# Altium PCB EVB-NORA-B20.PcbDoc (part 1 of 6) (continued)
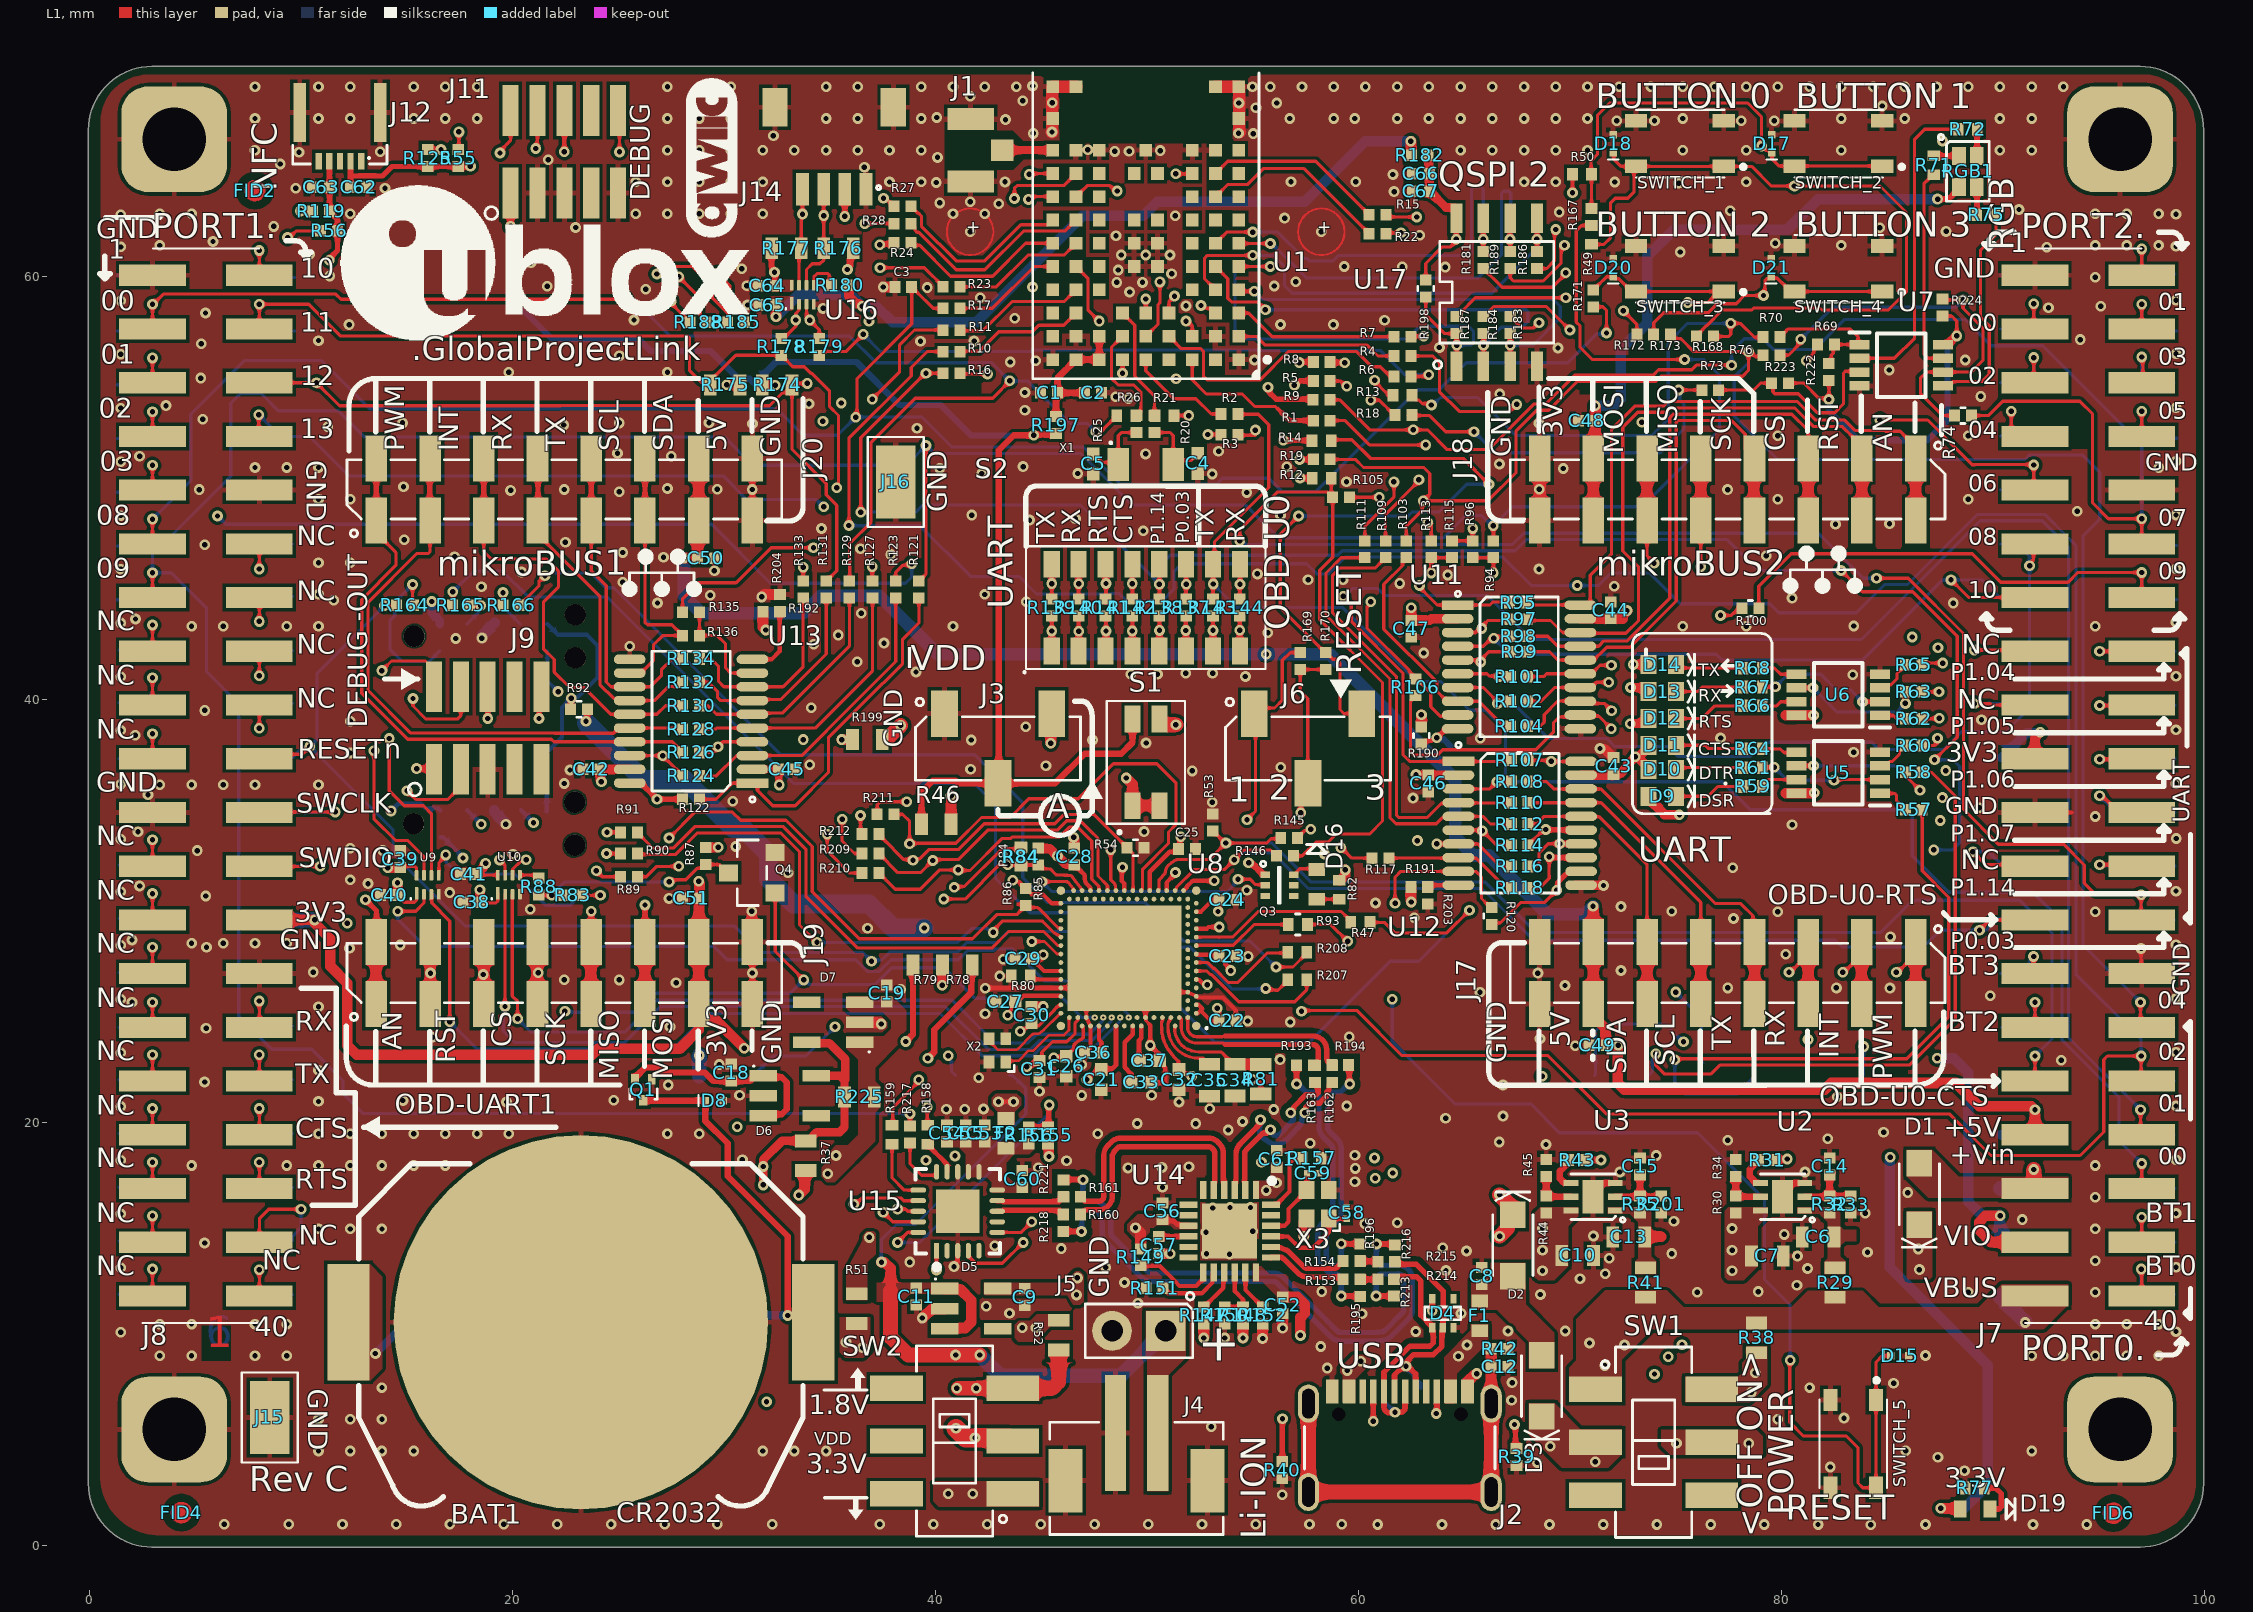
[diagram p0: L1 view]
## Components (designator, comment, footprint, x,y, rotation, side; value= is the part's Value field where it differs from the comment) (continued)
C47 "120-00016" "Cap 0402 HD"#1 62.488,43.358 r270 top locked value=0.1uF
C48 "120-00016" "Cap 0402 HD"#1 70.79,53.188 r180 top locked value=0.1uF
C49 "120-00016" "Cap 0402 HD"#1 71.291,23.657 r0 top locked value=0.1uF
C50 "120-00016" "Cap 0402 HD"#1 29.134,46.685 r0 top value=0.1uF
C51 "120-00016" "Cap 0402 HD"#1 28.436,30.607 r180 top value=0.1uF
C52 "120-00016" "Cap 0402 HD"#1 56.41,11.371 r270 top locked value=0.1uF
C53 "UBXH01-0000243" "Cap 0402 HD"#3 42.316,19.499 r90 top locked value=4U7
C54 "120-00016" "Cap 0402 HD"#3 40.538,19.499 r90 top locked value=0.1uF
C55 "120-00016" "Cap 0402 HD"#3 41.427,19.499 r90 top locked value=0.1uF
C56 "UBXH01-0000248" "Cap 0402 HD"#1 50.723,15.816 r90 top locked value=1U
C57 "UBXH01-0000248" "Cap 0402 HD"#1 50.551,14.216 r270 top locked value=1U
C58 "UBXH01-0013002" "Cap 0201 HD" 59.433,15.74 r90 top locked value=8P2
C59 "UBXH01-0013002" "Cap 0201 HD" 57.833,17.619 r0 top locked value=8P2
C60 "120-00016" "Cap 0402 HD"#3 44.094,17.34 r90 top locked value=0.1uF
C61 "120-00016" "Cap 0402 HD"#1 56.128,18.286 r90 top locked value=0.1uF
C62 "UBXH01-0000594" "Cap 0402 HD"#1 12.725,64.223 r180 top locked value=300P
C63 "UBXH01-0000594" "Cap 0402 HD"#1 10.947,64.223 r180 top locked value=300P
C64 "120-00016" "Cap 0402 HD"#1 32.029,59.572 r180 top locked value=0.1uF
C65 "120-00016" "Cap 0402 HD"#1 32.055,58.663 r180 top locked value=0.1uF
C66 "120-00016" "Cap 0402 HD"#1 62.941,64.872 r0 top value=0.1uF
C67 "UBXH01-0000243" "Cap 0402 HD"#1 62.941,64.033 r0 top value=4U7
D1 "110-00005" SOD-123F_U#1 86.512,16.637 r90 top
D2 "110-00005" SOD-123F_U#2 67.29,14.2 r270 top locked
D3 "110-00005" SOD-123F_U#1 68.653,7.561 r90 top locked
D4 "110-00018" SOT-553 63.983,10.993 r90 top locked
D5 "UBXH12-0000539" SOT-23-5_2#1 41.686,11.212 r0 top locked value=MAX40203AUK+T
D6 "UBXH12-0000539" SOT-23-5_2#2 33.101,21.277 r0 top value=MAX40203AUK+T
D7 "UBXH12-0000539" SOT-23-5_2#3 35.16,24.751 r180 top locked value=MAX40203AUK+T
D8 "UBXH07-0000034" SOD-923#1 29.534,21.048 r0 top value=3V3
D9 "UBXH11-0000057" LED_0603_YELLOW 74.35,35.433 r180 top value=YELLOW
D10 "UBXH11-0000001" LED_0603_GREEN 74.35,36.703 r180 top value=GREEN
D11 "UBXH11-0000057" LED_0603_YELLOW 74.35,37.846 r180 top value=YELLOW
D12 "UBXH11-0000001" LED_0603_GREEN 74.35,39.116 r180 top value=GREEN
D13 "UBXH11-0000057" LED_0603_YELLOW 74.35,40.386 r180 top value=YELLOW
D14 "UBXH11-0000001" LED_0603_GREEN 74.35,41.656 r180 top value=GREEN
D15 "110-00019" SOD-923#2 85.58,8.981 r0 top
D16 "UBXH11-0000018" LED_0603_1600Lx800Wx400H_600x800Pad_800G_FLX 58.02,31.27 r270 top locked value=GREEN
D17 "110-00019" SOD-923#2 79.527,66.294 r90 top
D18 "110-00019" SOD-923#3 72.034,66.294 r90 top locked
D19 "UBXH11-0000018" LED_0603_1600Lx800Wx400H_600x800Pad_800G_FLX 89.151,1.744 r180 top locked value=GREEN
D20 "110-00019" SOD-923#3 72.034,60.427 r90 top locked
D21 "110-00019" SOD-923#2 79.5,60.427 r90 top locked
F1 "UBXH08-0000001" IND_0603_1750Lx950Wx1050H_600x800Pad_800G_FLX 65.726,10.87 r90 top value=600OHM
F2 "UBXH08-0000001" IND_0603_1750Lx950Wx1050H_600x800Pad_800G_FLX 43.332,19.499 r270 top locked value=600OHM
FID1 "FID" FIDUCIAL40 7.817,64.071 r90 bottom locked
FID2 "FID" FIDUCIAL40 7.817,64.071 r90 top locked
FID3 "FID" FIDUCIAL40 4.34,1.567 r90 bottom locked
FID4 "FID" FIDUCIAL40 4.34,1.567 r90 top locked
FID5 "FID" FIDUCIAL40 95.679,1.541 r90 bottom locked
FID6 "FID" FIDUCIAL40 95.679,1.541 r90 top locked
J1 "130-00067" U.FL_3Pin 41.654,65.981 r90 top locked
J2 "UBXH04-0000785" USB4105-GF-A 61.946,2.541 r0 top locked value=USB4105-GF-A
J3 "UBXH04-0000792" HDR-0.1P-3Pin-1Row-SMT 42.951,37.694 r0 top locked value=M20-8770342
J4 "UBXH04-0000791" B2B-PH-SM4-TB 49.498,5.334 r180 top locked value=B2B-PH-SM4-TB
J5 "UBXH04-0000026" HDR-0.1P-2PIN-TH 49.609,10.16 r90 top locked value=M20-9990245
J6 "UBXH04-0000792" HDR-0.1P-3Pin-1Row-SMT 57.607,37.694 r0 top locked value=M20-8770342
J7 "" M208762042#1 94.5,35.94 r270 top locked
J8 "" M208762042#2 5.5,35.94 r270 top locked
J9 "130-00099" HDR.050P-10Pin-2x5-SMT_Key 18.821,38.659 r0 top locked
J10 "TC2050-IDC-NL" TC2050-IDC-NL#1 16.589,34.773 r0 bottom locked
J11 "130-00099" HDR.050P-10Pin-2x5-SMT_Key 22.446,65.909 r0 top locked
J12 "UBXH04-0000798" "AVX/Kyocera - 046284005001846" 11.836,67.759 r180 top locked value=046284005001846
J13 "TC2050-IDC-NL" TC2050-IDC-NL#2 16.614,43.637 r0 bottom locked
J14 "UBXH04-0000797" SM04B-SRSS-TB 35.204,68.013 r180 top locked value=SM04B-SRSS-TB
J15 "" Harwin_0_MFG 8.516,6.066 r90 top
J16 "" Harwin_0_MFG 38.113,50.298 r270 top
J17 "130-00102" SKT-0.1P-SSM-108-L-SV 77.446,27.081 r180 top locked
J18 "130-00102" SKT-0.1P-SSM-108-L-SV 77.446,49.941 r180 top locked
J19 "130-00102" SKT-0.1P-SSM-108-L-SV 22.446,27.081 r0 top locked
J20 "130-00102" SKT-0.1P-SSM-108-L-SV 22.446,49.941 r0 top locked
Q1 "140-00005" SOT-723 26.186,21.564 r270 top
Q3 "UBXH20-0000083" SOT-563 56.25,31.222 r0 top value=NTZD3154NT
Q4 "UBXH20-0000036" SOT-23 31.315,31.818 r180 top value=IRFML8244TRPBF
R1 "UBXH18-0003002" "RES 0402 HD"#1 58.257,53.198 r180 top locked value=0R
R2 "UBXH18-0003002" "RES 0402 HD"#1 53.895,53.509 r180 top locked value=0R
R3 "UBXH18-0003002" "RES 0402 HD"#1 53.895,52.531 r180 top locked value=0R
R4 "UBXH18-0003002" "RES 0402 HD"#1 62.067,56.253 r180 top locked value=0R
R5 "UBXH18-0003002" "RES 0402 HD"#1 58.256,55.071 r180 top locked value=0R
R6 "UBXH18-0003002" "RES 0402 HD"#1 62.075,55.284 r180 top locked value=0R
R7 "UBXH18-0003002" "RES 0402 HD"#1 62.067,57.163 r180 top locked value=0R
R8 "UBXH18-0003002" "RES 0402 HD"#1 58.257,55.968 r180 top locked value=0R
R9 "UBXH18-0003002" "RES 0402 HD"#1 58.247,54.182 r180 top locked value=0R
R10 "UBXH18-0003002" "RES 0402 HD"#1 40.746,56.46 r0 top locked value=0R
R11 "UBXH18-0003002" "RES 0402 HD"#1 40.746,57.468 r0 top locked value=0R
R12 "UBXH18-0003002" RES_0402_1100Lx600Wx400H_500x600Pad_400G_FLX#1 58.257,50.471 r0 top locked value=0R
R13 "UBXH18-0003002" RES_0402_1100Lx600Wx400H_500x600Pad_400G_FLX#1 62.073,54.399 r0 top locked value=0R
R14 "UBXH18-0003002" RES_0402_1100Lx600Wx400H_500x600Pad_400G_FLX#1 58.246,52.25 r0 top locked value=0R
R15 "UBXH18-0003002" "RES 0402 HD"#1 60.894,62.934 r0 top locked value=0R
R16 "UBXH18-0003002" "RES 0402 HD"#1 40.746,55.438 r0 top value=0R
R17 "UBXH18-0003002" "RES 0402 HD"#1 40.746,58.504 r0 top locked value=0R
R18 "UBXH18-0003002" "RES 0402 HD"#1 62.118,53.462 r0 top locked value=0R
R19 "UBXH18-0003002" "RES 0402 HD"#1 58.257,51.365 r0 top locked value=0R
R20 "UBXH18-0003002" "RES 0402 HD"#1 50.348,53.029 r90 top locked value=0R
R21 "UBXH18-0003002" RES_0402_1100Lx600Wx400H_500x600Pad_400G_FLX#1 50.821,53.433 r180 top locked value=0R
R22 "UBXH18-0003002" "RES 0402 HD"#1 60.894,62.036 r0 top locked value=0R
R23 "UBXH18-0003002" "RES 0402 HD"#1 40.746,59.526 r0 top locked value=0R
R24 "UBXH18-0003002" "RES 0402 HD"#1 38.443,61.602 r0 top locked value=0R
R25 "UBXH18-0003002" "RES 0402 HD"#1 49.495,53.029 r90 top locked value=0R
R26 "UBXH18-0003002" RES_0402_1100Lx600Wx400H_500x600Pad_400G_FLX#1 49.018,53.433 r0 top locked value=0R
R27 "UBXH18-0003002" "RES 0402 HD"#1 38.443,63.339 r180 top locked value=0R
R28 "UBXH18-0003002" "RES 0402 HD"#1 38.443,62.501 r180 top locked value=0R
R29 "UBXH18-0003001" RES_0603_1700Lx950Wx600H_600x1000Pad_800G_FLX#1 82.525,12.446 r90 top value=0R
R30 "UBXH18-0003002" "RES 0402 HD"#2 77.831,16.137 r270 top value=0R
R31 "UBXH18-0000005" "RES 0402 HD"#1 79.313,18.237 r0 top value=100K
R32 "UBXH18-0003002" "RES 0402 HD"#2 82.267,16.137 r270 top value=0R
R33 "UBXH18-0003002" "RES 0402 HD"#1 83.261,16.129 r90 top value=0R
R34 "UBXH18-0003002" "RES 0402 HD"#1 77.826,17.856 r270 top value=0R
R35 "UBXH18-0003002" "RES 0402 HD"#2 73.305,16.137 r270 top value=0R
R37 "UBXH18-0003001" RES_0603_1700Lx950Wx600H_600x1000Pad_800G_FLX#2 33.858,18.44 r90 top value=0R
R38 "UBXH18-0003001" RES_0603_1700Lx950Wx600H_600x1000Pad_800G_FLX#3 78.816,9.83 r270 top value=0R
R39 "UBXH18-0008066" "RES 0402 HD"#1 67.466,4.203 r90 top value=5K1
R40 "UBXH18-0008066" "RES 0402 HD"#1 56.391,3.574 r90 top value=5K1
R41 "UBXH18-0003001" RES_0603_1700Lx950Wx600H_600x1000Pad_800G_FLX#1 73.566,12.446 r90 top value=0R
R42 "180-00024" "RES 0402 HD"#1 66.66,9.31 r0 top value=10k
R43 "UBXH18-0000005" "RES 0402 HD"#2 70.333,18.237 r0 top value=100K
R44 "UBXH18-0003002" "RES 0402 HD"#2 68.868,16.137 r270 top value=0R
R45 "UBXH18-0003002" "RES 0402 HD"#1 68.868,17.856 r270 top value=0R
R46 "UBXH18-0003001" RES_0603_1700Lx950Wx600H_600x1000Pad_800G_FLX#2 40.03,34.112 r0 top value=0R
R47 "UBXH18-0008029" RES_0402_1100Lx600Wx400H_500x600Pad_400G_FLX#1 60.085,29.474 r180 top value=150R
R49 "UBXH18-0003002" RES_0402_1100Lx600Wx400H_500x600Pad_400G_FLX#1 71.008,61.98 r270 top locked value=0R
R50 "UBXH18-0003002" RES_0402_1100Lx600Wx400H_500x600Pad_400G_FLX#2 70.56,64.84 r0 top value=0R
R51 "UBXH18-0003001" RES_0603_1700Lx950Wx600H_600x1000Pad_800G_FLX#1 36.271,11.212 r90 top value=0R
R52 "UBXH18-0003001" RES_0603_1700Lx950Wx600H_600x1000Pad_800G_FLX#2 45.822,9.957 r270 top value=0R
R53 "UBXH18-0000005" "RES 0402 HD"#1 53.108,34.2 r270 top value=100K
R54 "UBXH18-0000005" "RES 0402 HD"#1 49.443,33.005 r180 top value=100K
R55 "UBXH18-0003002" "RES 0402 HD"#1 17.429,65.609 r270 top value=0R
R56 "UBXH18-0003002" "RES 0402 HD"#1 11.32,62.179 r0 top value=0R
R57 "UBXH18-0003002" "RES 0402 HD"#1 86.246,34.796 r0 top value=0R
R58 "UBXH18-0003002" "RES 0402 HD"#1 86.246,36.566 r0 top value=0R
R59 "UBXH18-0008041" RES_0402_1100Lx600Wx400H_500x600Pad_400G_FLX#1 78.631,35.9 r180 top locked value=470R
R60 "UBXH18-0003002" "RES 0402 HD"#1 86.246,37.836 r0 top value=0R
R61 "UBXH18-0008041" RES_0402_1100Lx600Wx400H_500x600Pad_400G_FLX#1 78.631,36.789 r180 top locked value=470R
R62 "UBXH18-0003002" "RES 0402 HD"#1 86.246,39.106 r0 top locked value=0R
R63 "UBXH18-0003002" "RES 0402 HD"#1 86.246,40.376 r0 top locked value=0R
R64 "UBXH18-0008041" RES_0402_1100Lx600Wx400H_500x600Pad_400G_FLX#1 78.631,37.678 r180 top locked value=470R
R65 "UBXH18-0003002" "RES 0402 HD"#1 86.246,41.646 r0 top locked value=0R
R66 "UBXH18-0008041" RES_0402_1100Lx600Wx400H_500x600Pad_400G_FLX#1 78.631,39.71 r180 top locked value=470R
R67 "UBXH18-0008041" RES_0402_1100Lx600Wx400H_500x600Pad_400G_FLX#1 78.631,40.599 r180 top locked value=470R
R68 "UBXH18-0008041" RES_0402_1100Lx600Wx400H_500x600Pad_400G_FLX#1 78.631,41.488 r180 top locked value=470R
R69 "UBXH18-0003002" "RES 0402 HD"#1 82.093,56.794 r180 top locked value=0R
R70 "UBXH18-0003002" "RES 0402 HD"#1 79.524,57.152 r180 top value=0R
R71 "UBXH18-0008046" RES_0402_1100Lx600Wx400H_500x600Pad_400G_FLX#1 87.198,65.27 r90 top locked value=750R
R72 "UBXH18-0008041" RES_0402_1100Lx600Wx400H_500x600Pad_400G_FLX#1 88.798,66.972 r0 top locked value=470R
R73 "UBXH18-0003002" "RES 0402 HD"#1 76.626,54.64 r180 top value=0R
R74 "UBXH18-0003002" "RES 0402 HD"#1 88.573,53.436 r0 top value=0R
R75 "UBXH18-0000216" RES_0402_1100Lx600Wx400H_500x600Pad_400G_FLX#1 89.683,62.929 r180 top value=360R
R76 "UBXH18-0003002" "RES 0402 HD"#1 79.524,56.294 r180 top value=0R
R77 "UBXH18-0008041" RES_0402_1100Lx600Wx400H_500x600Pad_400G_FLX#1 89.125,2.735 r0 top locked value=470R
R78 "UBXH18-0003001" RES_0603_1700Lx950Wx600H_600x1000Pad_800G_FLX#4 41.027,27.452 r180 top value=0R
R79 "UBXH18-0003001" RES_0603_1700Lx950Wx600H_600x1000Pad_800G_FLX#3 39.627,27.452 r180 top value=0R
R80 "UBXH18-0008017" RES_0402_1100Lx600Wx400H_500x600Pad_400G_FLX#1 44.015,26.939 r0 top locked value=47R
R81 "UBXH18-0003001" RES_0603_1700Lx950Wx600H_600x1000Pad_800G_FLX#2 55.372,22.058 r90 top locked value=0R
R82 "UBXH18-0008041" RES_0402_1100Lx600Wx400H_500x600Pad_400G_FLX#1 59.08,31.01 r270 top value=470R
R83 "UBXH18-0003002" "RES 0402 HD"#1 22.839,30.752 r180 top locked value=0R
R84 "UBXH18-00030020R" RES_0402_1100Lx600Wx400H_500x600Pad_400G_FLX#1 44.045,32.578 r90 top
R84 "UBXH18-00030020R" RES_0402_1100Lx600Wx400H_500x600Pad_400G_FLX#1 44.023,32.588 r90 top locked
R84 "UBXH18-0000005" "RES 0402 HD"#1 44.023,32.588 r90 top locked value=100K
R85 "UBXH18-0000005" "RES 0402 HD"#1 44.856,32.588 r90 top value=100K
R86 "UBXH18-0000005" "RES 0402 HD"#1 44.262,30.667 r90 top locked value=100K
R87 "UBXH18-0000005" "RES 0402 HD"#1 29.134,32.614 r90 top locked value=100K
R88 "UBXH18-0003002" "RES 0402 HD"#1 21.24,31.167 r90 top locked value=0R
R89 "UBXH18-0003002" "RES 0402 HD"#1 25.5,31.632 r180 top locked value=0R
R90 "UBXH18-0003002" "RES 0402 HD"#1 25.5,32.728 r0 top locked value=0R
R91 "UBXH18-0003002" "RES 0402 HD"#1 25.5,33.725 r0 top locked value=0R
R92 "UBXH18-0003002" "RES 0402 HD"#1 23.139,39.548 r0 top value=0R
R93 "UBXH18-0008029" RES_0402_1100Lx600Wx400H_500x600Pad_400G_FLX#1 57.13,29.37 r180 top value=150R
R94 "UBXH18-0003002" "RES 0402 HD"#1 66.369,47.114 r90 top value=0R
R95 "UBXH18-0003002" "RES 0402 HD"#1 67.539,44.597 r180 top value=0R
R96 "UBXH18-0003002" "RES 0402 HD"#1 65.39,47.114 r90 top value=0R
R97 "UBXH18-0003002" "RES 0402 HD"#1 67.561,43.797 r180 top value=0R
R98 "UBXH18-0003002" "RES 0402 HD"#1 67.561,43.003 r180 top value=0R
R99 "UBXH18-0003002" "RES 0402 HD"#1 67.583,42.267 r180 top locked value=0R
R100 "UBXH18-0003002" "RES 0402 HD"#1 78.52,44.319 r0 top value=0R
R101 "UBXH18-0003002" "RES 0402 HD"#1 67.583,41.093 r180 top locked value=0R
R102 "UBXH18-0003002" "RES 0402 HD"#1 67.583,39.919 r180 top locked value=0R
R103 "UBXH18-0003002" "RES 0402 HD"#1 62.252,47.114 r90 top value=0R
R104 "UBXH18-0003002" "RES 0402 HD"#1 67.583,38.744 r180 top locked value=0R
R105 "UBXH18-0003002" "RES 0402 HD"#1 59.174,49.571 r180 top value=0R
R106 "UBXH18-0003002" "RES 0402 HD"#1 62.687,40.589 r90 top value=0R
R107 "UBXH18-0003002" "RES 0402 HD"#1 67.618,37.138 r180 top locked value=0R
R108 "UBXH18-0003002" "RES 0402 HD"#1 67.618,36.133 r180 top locked value=0R
R109 "UBXH18-0003002" "RES 0402 HD"#1 61.273,47.114 r90 top value=0R
R110 "UBXH18-0003002" "RES 0402 HD"#1 67.618,35.129 r180 top locked value=0R
R111 "UBXH18-0003002" "RES 0402 HD"#1 60.294,47.114 r90 top value=0R
R112 "UBXH18-0003002" "RES 0402 HD"#1 67.618,34.125 r180 top locked value=0R
R113 "UBXH18-0003002" "RES 0402 HD"#1 63.431,47.114 r90 top value=0R
R114 "UBXH18-0003002" "RES 0402 HD"#1 67.618,33.12 r180 top locked value=0R
R115 "UBXH18-0003002" "RES 0402 HD"#1 64.411,47.114 r90 top value=0R
R116 "UBXH18-0003002" "RES 0402 HD"#1 67.618,32.116 r180 top locked value=0R
R117 "UBXH18-0003002" "RES 0402 HD"#1 61.036,32.512 r180 top locked value=0R
R118 "UBXH18-0003002" "RES 0402 HD"#1 67.618,31.112 r180 top locked value=0R
R119 "UBXH18-0003002" "RES 0402 HD"#1 10.947,63.087 r0 top value=0R
R120 "UBXH18-0003002" "RES 0402 HD"#1 66.297,29.776 r90 top value=0R
R121 "UBXH18-0003002" "RES 0402 HD"#1 39.206,45.205 r90 top value=0R
R122 "UBXH18-0003002" "RES 0402 HD"#1 28.436,35.296 r0 top value=0R
R123 "UBXH18-0003002" "RES 0402 HD"#1 38.112,45.205 r90 top value=0R
R124 "UBXH18-0003002" "RES 0402 HD"#1 28.436,36.401 r0 top value=0R
R125 "UBXH18-0003002" "RES 0402 HD"#1 15.987,65.609 r270 top value=0R
R126 "UBXH18-0003002" "RES 0402 HD"#1 28.436,37.507 r0 top value=0R
R127 "UBXH18-0003002" "RES 0402 HD"#1 37.018,45.205 r90 top value=0R
R128 "UBXH18-0003002" "RES 0402 HD"#1 28.436,38.612 r0 top value=0R
R129 "UBXH18-0003002" "RES 0402 HD"#1 35.924,45.205 r90 top value=0R
R130 "UBXH18-0003002" "RES 0402 HD"#1 28.436,39.718 r0 top value=0R
R131 "UBXH18-0003002" "RES 0402 HD"#1 34.83,45.205 r90 top value=0R
R132 "UBXH18-0003002" "RES 0402 HD"#1 28.436,40.823 r0 top value=0R
R133 "UBXH18-0003002" "RES 0402 HD"#1 33.735,45.205 r90 top value=0R
R134 "UBXH18-0003002" "RES 0402 HD"#1 28.436,41.929 r0 top value=0R
R135 "UBXH18-0003002" "RES 0402 HD"#1 28.436,44.14 r180 top value=0R
R136 "UBXH18-0003002" "RES 0402 HD"#1 28.436,43.034 r0 top value=0R
R137 "UBXH18-0003002" "RES 0402 HD"#1 51.841,44.356 r90 top locked value=0R
R138 "UBXH18-0003002" "RES 0402 HD"#1 50.571,44.356 r90 top locked value=0R
R139 "UBXH18-0003002" "RES 0402 HD"#1 45.491,44.356 r90 top locked value=0R
R140 "UBXH18-0003002" "RES 0402 HD"#1 46.761,44.356 r90 top locked value=0R
R141 "UBXH18-0003002" "RES 0402 HD"#1 48.031,44.356 r90 top locked value=0R
R142 "UBXH18-0003002" "RES 0402 HD"#1 49.301,44.356 r90 top locked value=0R
R143 "UBXH18-0003002" "RES 0402 HD"#1 53.111,44.356 r90 top locked value=0R
R144 "UBXH18-0003002" "RES 0402 HD"#1 54.381,44.356 r90 top locked value=0R
R145 "UBXH18-0003002" "RES 0402 HD"#1 56.717,33.465 r0 top value=0R
R146 "UBXH18-0003002" "RES 0402 HD"#1 56.512,32.619 r0 top value=0R
R147 "UBXH18-0000065" "RES 0402 HD"#1 52.679,10.888 r270 top locked value=10K
R148 "UBXH18-0000005" "RES 0402 HD"#1 54.531,10.888 r270 top locked value=100K
R149 "UBXH18-0000005" "RES 0402 HD"#1 49.69,13.64 r90 top locked value=100K
R150 "UBXH18-0000005" "RES 0402 HD"#1 53.667,10.888 r90 top locked value=100K
R151 "UBXH18-0000005" "RES 0402 HD"#1 50.355,12.183 r180 top value=100K
R152 "UBXH18-0000005" "RES 0402 HD"#1 55.47,10.888 r90 top locked value=100K
R153 "UBXH18-0003002" "RES 0402 HD"#1 59.667,12.597 r0 top locked value=0R
R154 "UBXH18-0003002" "RES 0402 HD"#1 59.667,13.467 r0 top locked value=0R
R155 "UBXH18-0003002" "RES 0402 HD"#1 45.313,19.397 r90 top locked value=0R
R156 "UBXH18-0003002" "RES 0402 HD"#3 44.399,19.397 r90 top locked value=0R
R157 "UBXH18-0000133" RES_0402_1100Lx600Wx400H_500x600Pad_400G_FLX#1 57.786,18.324 r180 top locked value=12K
R158 "UBXH18-0003002" RES_0402_1100Lx600Wx400H_500x600Pad_400G_FLX#1 39.63,19.44 r90 top value=0R
R159 "UBXH18-0003002" RES_0402_1100Lx600Wx400H_500x600Pad_400G_FLX#1 37.938,19.44 r90 top value=0R
R160 "UBXH18-0003002" "RES 0402 HD"#1 46.444,15.665 r0 top locked value=0R
R161 "UBXH18-0003002" "RES 0402 HD"#1 46.444,16.496 r0 top locked value=0R
R162 "UBXH18-0003002" "RES 0402 HD"#1 58.747,22.298 r270 top locked value=0R
R163 "UBXH18-0003002" "RES 0402 HD"#1 57.934,22.298 r270 top locked value=0R
R164 "UBXH18-0003002" "RES 0402 HD"#1 14.911,44.459 r0 top locked value=0R
R165 "UBXH18-0003002" "RES 0402 HD"#1 17.551,44.459 r180 top locked value=0R
R166 "UBXH18-0003002" "RES 0402 HD"#1 19.945,44.459 r0 top locked value=0R
R167 "UBXH18-0003002" "RES 0402 HD"#1 71.008,62.826 r270 top locked value=0R
R168 "UBXH18-0003002" "RES 0402 HD"#1 76.383,57.181 r0 top value=0R
R169 "UBXH18-0003002" "RES 0402 HD"#1 57.24,41.83 r270 top locked value=0R
R170 "UBXH18-0003002" "RES 0402 HD"#1 58.447,41.83 r270 top locked value=0R
R171 "UBXH18-0003002" "RES 0402 HD"#1 71.095,58.979 r270 top value=0R
R172 "UBXH18-0003002" "RES 0402 HD"#1 73.55,57.269 r180 top value=0R
R173 "UBXH18-0003002" "RES 0402 HD"#1 74.35,57.269 r0 top value=0R
R174 "UBXH18-0007081" RES_0603_1700Lx950Wx600H_600x1000Pad_800G_FLX#2 32.509,54.881 r180 top locked value=2K2
R175 "UBXH18-0007081" RES_0603_1700Lx950Wx600H_600x1000Pad_800G_FLX#2 30.05,54.881 r0 top locked value=2K2
R176 "UBXH18-0007081" RES_0603_1700Lx950Wx600H_600x1000Pad_800G_FLX#2 35.406,61.343 r0 top locked value=2K2
R177 "UBXH18-0007081" RES_0603_1700Lx950Wx600H_600x1000Pad_800G_FLX#2 32.946,61.343 r180 top locked value=2K2
R178 "UBXH18-0003002" "RES 0402 HD"#1 32.705,56.687 r270 top locked value=0R
R179 "UBXH18-0003002" "RES 0402 HD"#1 34.498,56.687 r270 top locked value=0R
R180 "UBXH18-0003002" "RES 0402 HD"#1 35.467,59.6 r0 top locked value=0R
R181 "UBXH18-0003002" "RES 0402 HD"#1 65.887,60.783 r90 top locked value=0R
R182 "UBXH18-0003002" "RES 0402 HD"#1 62.89,65.735 r0 top value=0R
R183 "UBXH18-0003002" "RES 0402 HD"#1 67.165,57.709 r270 top locked value=0R
R184 "UBXH18-0003002" "RES 0402 HD"#1 65.895,57.709 r270 top locked value=0R
R185 "UBXH18-0003002" "RES 0402 HD"#1 30.57,57.841 r0 top value=0R
R186 "UBXH18-0003002" "RES 0402 HD"#1 68.435,60.783 r90 top locked value=0R
R187 "UBXH18-0003002" "RES 0402 HD"#1 64.625,57.709 r90 top locked value=0R
R188 "UBXH18-0003002" "RES 0402 HD"#1 28.786,57.841 r0 top value=0R
R189 "UBXH18-0003002" "RES 0402 HD"#1 67.165,60.783 r270 top locked value=0R
R190 "UBXH18-0003002" "RES 0402 HD"#1 62.967,38.303 r90 top value=0R
R191 "UBXH18-0003002" "RES 0402 HD"#1 62.867,31.146 r180 top locked value=0R
R192 "UBXH18-0003002" "RES 0402 HD"#1 32.226,44.154 r180 top locked value=0R
R193 "UBXH18-0003002" "RES 0402 HD"#1 57.466,22.724 r180 top locked value=0R
R194 "UBXH18-0003002" "RES 0402 HD"#1 59.131,22.733 r0 top locked value=0R
R195 "UBXH18-0003002" "RES 0402 HD"#1 60.071,12.192 r270 top locked value=0R
R196 "UBXH18-0003002" "RES 0402 HD"#1 60.071,13.875 r90 top locked value=0R
R197 "UBXH18-0003002" "RES 0402 HD"#1 45.69,52.984 r270 top locked value=0R
R198 "UBXH18-0000005" "RES 0402 HD"#1 63.174,59.45 r270 top value=100K
R199 "UBXH18-0003001" RES_0603_1700Lx950Wx600H_600x1000Pad_800G_FLX#2 36.771,38.115 r180 top value=0R
R201 "UBXH18-0003002" "RES 0402 HD"#1 74.301,16.137 r90 top value=0R
R203 "UBXH18-0003002" "RES 0402 HD"#1 63.27,30.74 r270 top locked value=0R
R204 "UBXH18-0003002" "RES 0402 HD"#1 32.64,44.57 r90 top locked value=0R
R207 "UBXH18-0008029" RES_0402_1100Lx600Wx400H_500x600Pad_400G_FLX#1 57.092,26.766 r0 top locked value=150R
R208 "UBXH18-0008029" RES_0402_1100Lx600Wx400H_500x600Pad_400G_FLX#1 57.092,28.056 r180 top locked value=150R
R209 "UBXH18-0003002" "RES 0402 HD"#1 36.93,32.73 r180 top value=0R
R210 "UBXH18-0003002" "RES 0402 HD"#1 36.93,31.805 r180 top value=0R
R211 "UBXH18-0003002" "RES 0402 HD"#1 37.638,34.583 r180 top value=0R
R212 "UBXH18-0003002" "RES 0402 HD"#1 36.93,33.655 r180 top value=0R
R213 "UBXH18-0003002" "RES 0402 HD"#1 61.67,12.197 r90 top locked value=0R
R214 "UBXH18-0003002" "RES 0402 HD"#1 61.305,12.597 r0 top locked value=0R
R215 "UBXH18-0003002" "RES 0402 HD"#1 61.305,13.43 r0 top locked value=0R
R216 "UBXH18-0003002" "RES 0402 HD"#1 61.719,13.83 r270 top locked value=0R
R217 "UBXH18-0003002" "RES 0402 HD"#1 38.79,19.44 r270 top locked value=0R
R218 "UBXH18-0003002" "RES 0402 HD"#1 46.03,15.27 r90 top locked value=0R
R221 "UBXH18-0003002" "RES 0402 HD"#1 46.048,16.896 r90 top locked value=0R
R222 "UBXH18-0000005" "RES 0402 HD"#1 82.22,55.49 r90 top locked value=100K
R223 "UBXH18-0000005" "RES 0402 HD"#1 79.927,54.969 r180 top locked value=100K
R224 "UBXH18-0000005" "RES 0402 HD"#1 87.605,58.542 r90 top locked value=100K
R225 "UBXH18-0003001" RES_0603_1700Lx950Wx600H_600x1000Pad_800G_FLX#3 36.392,21.222 r0 top value=0R
RGB1 "115-00026" LED_1616 88.805,64.977 r0 top locked
S1 "" 2182LPSTJ 49.943,37.039 r0 top locked
S2 "" 2188LPSTJ 49.936,44.356 r0 top locked
SW1 "UBXH19-0000050" SW_Slide_DPDT_JS202011SCQN#1 73.946,4.894 r270 top locked value=JS202011SCQN
SW2 "UBXH19-0000050" SW_Slide_DPDT_JS202011SCQN#2 40.894,4.953 r90 top locked value=JS202011SCQN
SWITCH_1 "" PTS810SJG250SMTRLFS 75.184,66.294 r180 top locked (schematic designator SW4)
SWITCH_2 "" PTS810SJG250SMTRLFS 82.677,66.294 r180 top locked (schematic designator SW3)
SWITCH_3 "" PTS810SJG250SMTRLFS 75.184,60.376 r180 top locked (schematic designator SW6)
SWITCH_4 "" PTS810SJG250SMTRLFS 82.677,60.375 r180 top locked (schematic designator SW7)
SWITCH_5 "" PTS810SJG250SMTRLFS 83.385,4.818 r270 top locked (schematic designator SW5)
TP1 "TP10R" TP10R 43.489,22.231 r90 bottom locked
TP2 "TP10R" TP12R 37.084,7.493 r90 bottom locked
TP3 "TP10R" TP10R 38.862,7.493 r90 bottom locked
TP4 "TP10R" TP12R 61.214,7.493 r90 bottom locked
TP5 "TP10R" TP12R 62.992,7.493 r90 bottom locked
TP6 "TP10R" TP10R 46.029,22.231 r90 bottom locked
TP7 "TP10R" TP12R 53.649,22.231 r90 bottom locked
TP8 "TP10R" TP12R 51.109,22.231 r90 bottom locked
TP9 "TP10R" TP12R 48.569,22.231 r90 bottom locked
TP10 "TP10R" TP12R 13.61,55 r180 bottom locked
TP11 "TP10R" TP12R 16.15,55 r90 bottom locked
TP12 "TP10R" TP12R 21.23,55 r90 bottom locked
TP13 "TP10R" TP12R 18.69,55 r90 bottom locked
TP14 "TP10R" TP12R 26.31,55 r90 bottom locked
TP15 "TP10R" TP12R 23.77,55 r90 bottom locked
TP16 "TP10R" TP12R 31.39,55 r90 bottom locked
TP17 "TP10R" TP12R 28.85,55 r90 bottom locked
TP18 "TP10R" TP12R 68.61,55 r90 bottom locked
TP19 "TP10R" TP12R 71.15,55 r90 bottom locked
TP20 "TP10R" TP12R 78.77,55 r90 bottom locked
TP21 "TP10R" TP12R 73.69,55 r90 bottom locked
TP22 "TP10R" TP12R 76.23,55 r90 bottom locked
TP23 "TP10R" TP12R 81.31,55 r90 bottom locked
TP24 "TP10R" TP12R 83.85,55 r90 bottom locked
TP25 "TP10R" TP12R 86.39,55 r90 bottom locked
TP26 "TP10R" TP12R 71.15,22.231 r90 bottom locked
TP27 "TP10R" TP12R 78.77,22.231 r90 bottom locked
TP28 "TP10R" TP12R 68.61,22.231 r90 bottom locked
TP29 "TP10R" TP12R 76.23,22.231 r90 bottom locked
TP30 "TP10R" TP12R 73.69,22.231 r90 bottom locked
TP31 "TP10R" TP12R 81.31,22.231 r90 bottom locked
TP32 "TP10R" TP12R 18.69,22.231 r90 bottom locked
TP33 "TP10R" TP12R 23.77,22.231 r90 bottom locked
TP34 "TP10R" TP12R 13.61,22.231 r90 bottom locked
TP35 "TP10R" TP12R 21.23,22.231 r90 bottom locked
TP36 "TP10R" TP12R 40.949,22.231 r90 bottom locked
TP37 "TP10R" TP12R 31.39,22.231 r90 bottom locked
TP38 "TP10R" TP10R 56.189,22.231 r90 bottom locked
TP39 "TP10R" TP12R 86.39,22.231 r90 bottom locked
TP40 "TP10R" TP12R 16.15,22.231 r90 bottom locked
TP41 "TP10R" TP12R 26.31,22.231 r90 bottom locked
TP42 "TP10R" TP12R 83.85,22.231 r90 bottom locked
TP43 "TP10R" TP12R 28.85,22.231 r90 bottom locked
TP44 "TP10R" TP10R 58.729,22.231 r90 bottom locked
TP45 "TP10R" TP12R 98.6,60.13 r90 bottom locked
TP46 "TP10R" TP12R 90.4,57.59 r90 bottom locked
TP47 "TP10R" TP12R 98.6,57.59 r90 bottom locked
TP48 "TP10R" TP12R 90.4,60.13 r90 bottom locked
TP49 "TP10R" TP12R 90.4,55.05 r90 bottom locked
TP50 "TP10R" TP12R 98.6,55.05 r90 bottom locked
TP51 "TP10R" TP12R 90.4,52.51 r90 bottom locked
TP52 "TP10R" TP12R 98.6,52.51 r90 bottom locked
TP53 "TP10R" TP12R 90.4,49.97 r90 bottom locked
TP54 "TP10R" TP12R 90.4,47.43 r90 bottom locked
TP55 "TP10R" TP12R 98.6,47.43 r90 bottom locked
TP56 "TP10R" TP12R 98.6,49.97 r90 bottom locked
TP57 "TP10R" TP12R 90.4,44.878 r90 bottom locked
TP58 "TP10R" TP12R 98.6,44.89 r90 bottom locked
TP59 "TP10R" TP12R 90.4,42.35 r90 bottom locked
TP60 "TP10R" TP12R 98.6,42.35 r90 bottom locked
TP61 "TP10R" TP12R 90.4,39.81 r90 bottom locked
TP62 "TP10R" TP12R 98.6,39.842 r90 bottom locked
TP63 "TP10R" TP12R 90.4,37.246 r90 bottom locked
TP64 "TP10R" TP12R 98.6,37.27 r90 bottom locked
TP65 "TP10R" TP12R 98.6,34.73 r90 bottom locked
TP66 "TP10R" TP12R 90.4,32.19 r90 bottom locked
TP67 "TP10R" TP12R 98.6,32.19 r90 bottom locked
TP68 "TP10R" TP12R 90.4,34.73 r90 bottom locked
TP69 "TP10R" TP12R 90.4,29.65 r90 bottom locked
TP70 "TP10R" TP12R 98.6,29.592 r90 bottom locked
TP71 "TP10R" TP12R 90.4,27.11 r90 bottom locked
TP72 "TP10R" TP12R 90.4,24.565 r90 bottom locked
TP73 "TP10R" TP12R 98.6,24.536 r90 bottom locked
TP74 "TP10R" TP12R 98.6,27.174 r90 bottom locked
TP75 "TP10R" TP12R 90.4,22.03 r90 bottom locked
TP76 "TP10R" TP12R 98.6,22.098 r90 bottom locked
TP77 "TP10R" TP12R 90.4,19.49 r90 bottom locked
TP78 "TP10R" TP12R 98.6,19.49 r90 bottom locked
TP79 "TP10R" TP12R 90.4,16.95 r90 bottom locked
TP80 "TP10R" TP12R 98.6,16.942 r90 bottom locked
TP81 "TP10R" TP12R 90.4,14.44 r90 bottom locked
TP82 "TP10R" TP12R 98.6,14.366 r90 bottom locked
TP83 "TP10R" TP12R 90.4,11.87 r90 bottom locked
TP84 "TP10R" TP12R 98.575,11.895 r90 bottom locked
TP85 "TP10R" TP12R 9.6,60.13 r90 bottom locked
TP86 "TP10R" TP12R 1.4,57.556 r90 bottom locked
TP87 "TP10R" TP12R 9.6,57.585 r90 bottom locked
TP88 "TP10R" TP12R 1.4,34.73 r90 bottom locked
TP89 "TP10R" TP12R 1.4,55.05 r90 bottom locked
TP90 "TP10R" TP12R 9.6,55.05 r90 bottom locked
TP91 "TP10R" TP12R 1.4,52.51 r90 bottom locked
TP92 "TP10R" TP12R 9.6,52.513 r90 bottom locked
TP93 "TP10R" TP12R 1.4,49.97 r90 bottom locked
TP94 "TP10R" TP12R 1.4,47.43 r90 bottom locked
TP95 "TP10R" TP12R 9.6,47.447 r90 bottom locked
TP96 "TP10R" TP12R 9.6,49.901 r90 bottom locked
TP97 "TP10R" TP12R 1.4,44.89 r0 bottom locked
TP98 "TP10R" TP12R 9.6,44.89 r0 bottom locked
TP99 "TP10R" TP12R 1.4,42.35 r0 bottom locked
TP100 "TP10R" TP12R 9.6,42.316 r0 bottom locked
TP101 "TP10R" TP12R 1.4,39.855 r0 bottom locked
TP102 "TP10R" TP12R 9.6,39.81 r0 bottom locked
TP103 "TP10R" TP12R 1.4,37.27 r0 bottom locked
TP104 "TP10R" TP12R 9.6,37.27 r0 bottom locked
TP105 "TP10R" TP12R 9.6,34.73 r0 bottom locked
TP106 "TP10R" TP12R 1.4,32.19 r0 bottom locked
TP107 "TP10R" TP12R 9.6,32.156 r0 bottom locked
TP108 "TP10R" TP12R 1.4,60.126 r0 bottom locked
TP109 "TP10R" TP12R 1.4,29.65 r90 bottom locked
TP110 "TP10R" TP12R 9.6,29.65 r90 bottom locked
TP111 "TP10R" TP12R 1.4,27.11 r90 bottom locked
TP112 "TP10R" TP12R 1.4,24.546 r90 bottom locked
TP113 "TP10R" TP12R 9.6,24.57 r90 bottom locked
TP114 "TP10R" TP12R 9.6,27.11 r90 bottom locked
TP115 "TP10R" TP12R 1.4,22.03 r90 bottom locked
TP116 "TP10R" TP12R 9.6,22.03 r90 bottom locked
TP117 "TP10R" TP12R 1.4,19.49 r0 bottom locked
TP118 "TP10R" TP12R 9.6,19.49 r90 bottom locked
TP119 "TP10R" TP12R 1.4,16.95 r0 bottom locked
TP120 "TP10R" TP12R 9.6,16.95 r90 bottom locked
TP121 "TP10R" TP12R 1.4,14.41 r0 bottom locked
TP122 "TP10R" TP12R 9.6,14.41 r90 bottom locked
TP123 "TP10R" TP12R 1.4,11.895 r90 bottom locked
TP124 "TP10R" TP12R 9.6,11.87 r90 bottom locked
TP125 "TP10R" TP12R 21.828,7.493 r90 bottom locked
TP126 "TP10R" TP12R 20.05,7.493 r90 bottom locked
U1 "NORA" NORA_LGA82R_1430X1040X180_ANT 49.936,61.581 r90 top locked
U2 "UBXH43-0000004" DFN0.65P-6Pin_W-Pad 80.046,16.501 r90 top
U3 "UBXH43-0000003" DFN0.65P-6Pin_W-Pad 71.086,16.501 r90 top
U5 "UBXH06-0000120" SOP65P400X110-8N 82.676,36.549 r180 top
U6 "UBXH06-0000120" SOP65P400X110-8N 82.676,40.232 r180 top locked
U7 "UBXH06-0000120" SOP65P400X110-8N 85.654,55.817 r0 top locked
U8 "UBXH12-0000420" nRF5340_AQFN94 49.123,27.776 r180 top locked value=nRF5340-QKAA
U9 "UBXH10-0000108" DQE0008A 15.985,31.249 r90 top value=TXS0102DQE
U10 "UBXH10-0000108" DQE0008A 19.82,31.257 r90 top value=TXS0102DQE
U11 "UBXH10-0000036" TSOP0.65P6.40X1.20-20Pin 67.583,41.553 r0 top locked value=TXS0108EPWR
U12 "UBXH10-0000036" TSOP0.65P6.40X1.20-20Pin 67.618,34.159 r0 top locked value=TXS0108EPWR
U13 "UBXH10-0000036" TSOP0.65P6.40X1.20-20Pin 28.436,38.986 r180 top locked value=TXS0108EPWR
U14 "" QFN50P400X400X100-25N-D 53.896,14.876 r270 top locked
U15 "UBXH10-0000054" QFN_5x5_FT231XQ 41.046,15.816 r90 top locked value=FT231XQ-R
U16 "UBXH10-0000108" DQE0008A 33.717,59.146 r90 top locked value=TXS0102DQE
U17 "UBXH13-0000149" SOIC-8W 66.53,59.269 r90 top locked
X1 "UBXH21-0008104" XTAL_3215 49.931,51.122 r0 top locked
X2 "UBXH21-0000240" XTAL_1612 42.923,23.421 r90 top locked value=32.000MHZ
X3 "UBXH21-0000066" XTAL_2016_HD 58.061,16.146 r90 top locked value=24.000MHZ

## Footprints (in the part's own frame and the unit in brackets; to place one, negate y for a bottom-side part, rotate by r counter-clockwise, add the part's x,y. Pads: shape width x height; smd on the part's side, far side on the other; paste and mask are expansions set on the pad)
2182LPSTJ [mm]
  rect 0.76x1.27 smd: 1(-0.635,-2.05) 2(0.635,-2.05) 3(0.635,2.05) 4(-0.635,2.05)
  silkscreen extent -1.86,-3.35 1.86,2.9, body extent -1.87,-4.35 1.84,4.09, height 1.4
2188LPSTJ [mm]
  rect 0.76x1.27 smd: 1(-4.445,-2.05) 2(-3.175,-2.05) 3(-1.905,-2.05) 4(-0.635,-2.05) 5(0.635,-2.05) 6(1.905,-2.05) 7(3.175,-2.05) 8(4.445,-2.05) 9(4.445,2.05) 10(3.175,2.05) 11(1.905,2.05) 12(0.635,2.05) 13(-0.635,2.05) 14(-1.905,2.05) 15(-3.175,2.05) 16(-4.445,2.05)
  silkscreen extent -5.78,-3.1 5.67,2.9, body extent -5.67,-3.02 5.67,3.02, height 1.77
3034 [mm] "Keystone Electronics PN 3034, CR2032 Holder, 16.12mm X 23.34mm X 4.06mm"
  rect 2x5.5 smd: 1(-10.985,0)
  rect 2x5.5 smd mask+0: 1(10.985,0)
  round 17.7 smd paste-12: 2(0,0)
  silkscreen extent -10.5,-8.69 10.5,7.5, body extent -11.6,-8.7 11.64,7.78, height 4.08
"AVX/Kyocera - 046284005001846" [mm] "FPC 0.50mm Pitch, 5Pin, R/A"
  rect 0.3x0.8 smd mask+0.05: 1(-1,2.3) 2(-0.5,2.3) 3(0,2.3) 4(0.5,2.3) 5(1,2.3)
  rect 0.6x2.8 smd mask+0.05: MP(-1.9,0) MP(1.9,0)
  silkscreen extent -2.22,1.55 2.22,2.42, body extent -2.2,-1.42 2.2,2.63, height 1.51